# Altium PCB ARM_PCB-2.PcbDoc
Units mil, origin at the board's own origin, x right, y up, seen from the top; angles counter-clockwise.
Board outline 3620.37 x 1730.2 mil, 2 copper layers (Top Layer, Bottom Layer); 67 components, 50 nets, 258 pads, 27 vias.
Unrouted connection lines stored in the file: 2.
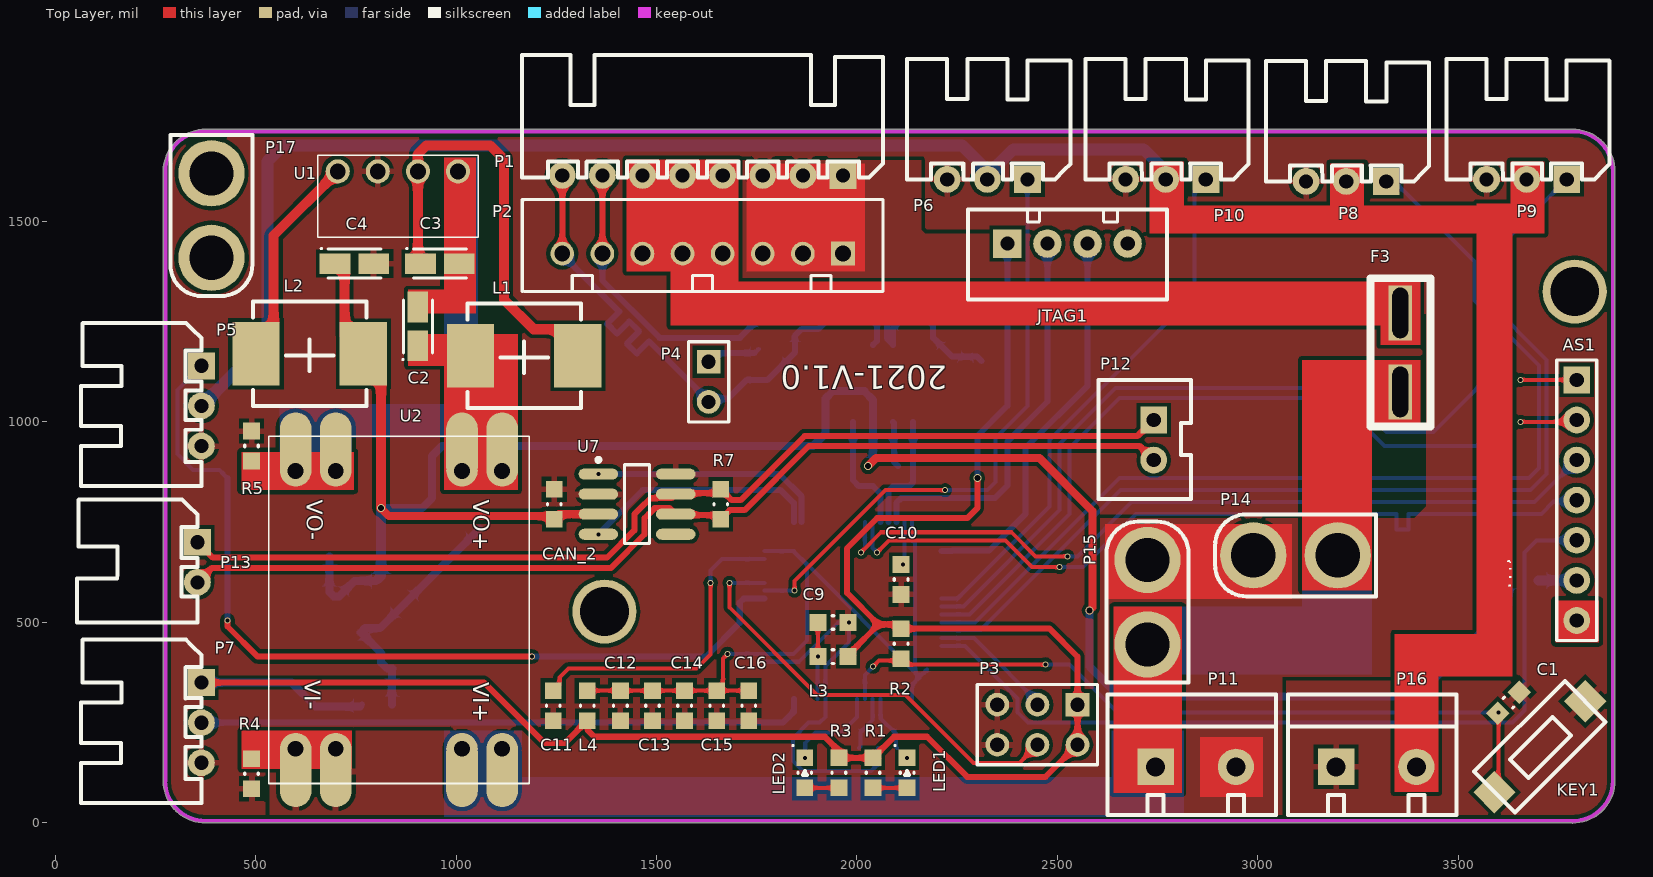
[diagram p0: Top Layer view]
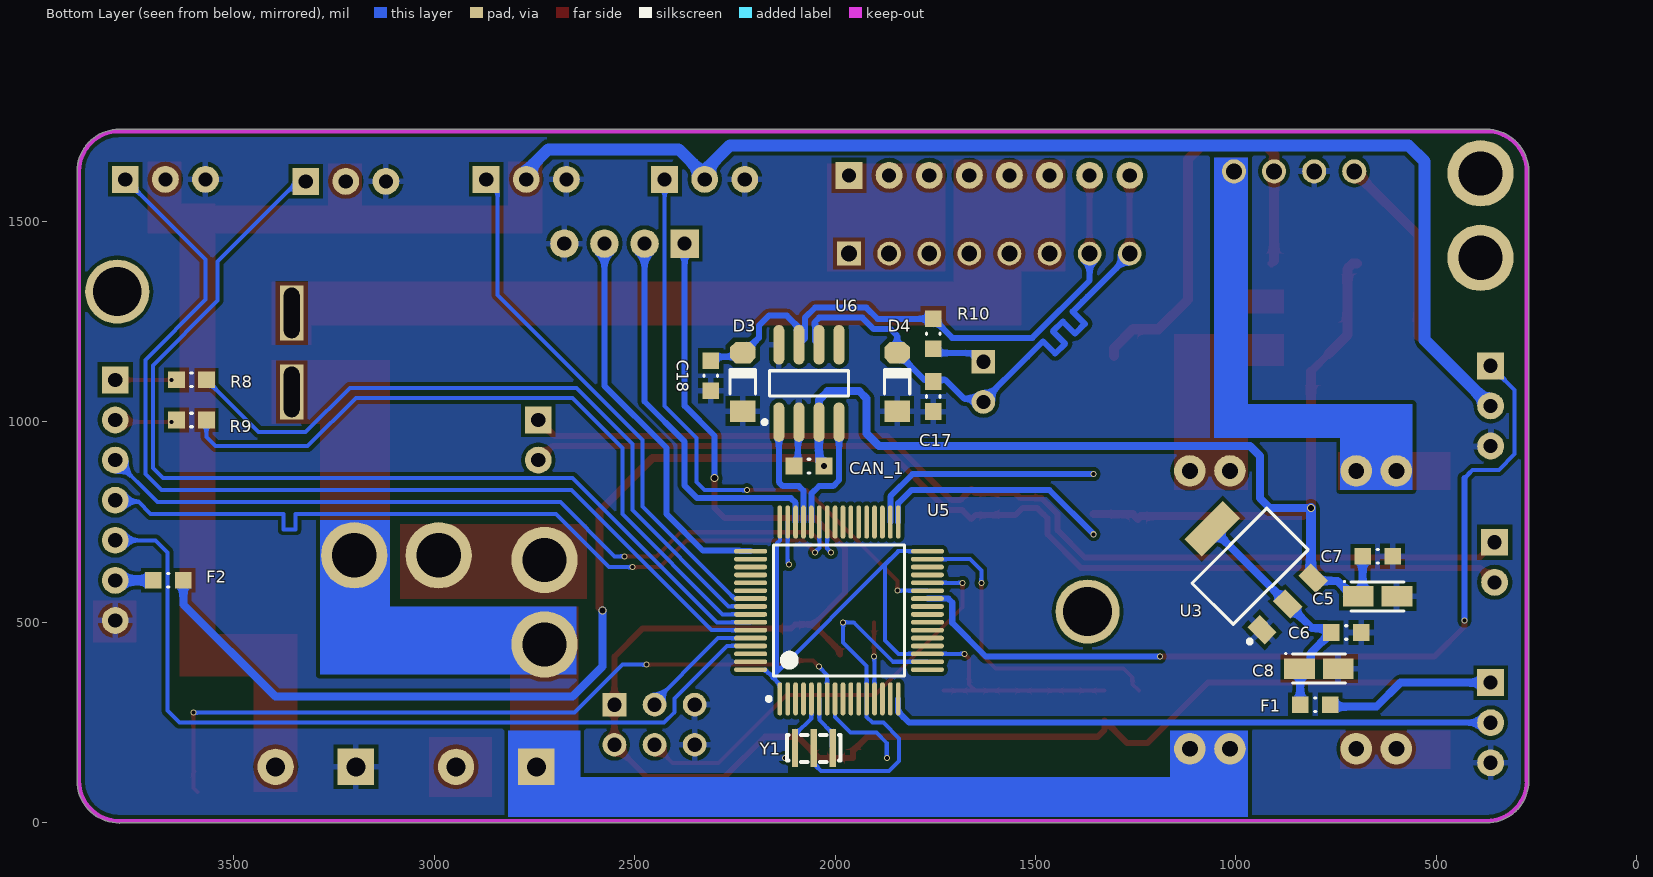
[diagram p1: Bottom Layer view, seen from below]

## Layer stack, top to bottom
Top Solder: solder mask 0.4, Solder Resist, Dk 3.5
Top Layer: signal copper 1.4
Dielectric 1: dielectric 12.6, FR-4, Dk 4.8
Bottom Layer: signal copper 1.4
Bottom Solder: solder mask 0.4, Solder Resist, Dk 3.5

## Board outline
374.96,-0.01 ccw(c375,5) 375,-0.01 3783.71,-0.01 ccw(c3785,4.83) 3785,-0.18 ccw(c3785,104.83) 3890.01,104.83 ccw(c3785,104.83) 3890.01,105.01 ccw(c3885,105) 3889.35,107.5 ccw(c3885,110) 3890.01,110 3890.01,1623.71 ccw(c3885.17,1625) 3890.18,1625 ccw(c3785.17,1625) 3784.99,1730.01 ccw(c3785,1725) 3784.97,1730.01 375,1730.01 375,1730.02 cw(c375,1725) 375.05,1730.01 375,1730.02 ccw(c375,1625) 269.99,1624.87 ccw(c375,1625) 269.99,1624.83 ccw(c375,1625) 269.99,1624.82 269.98,1624.83 269.98,106.29 ccw(c274.83,105) 269.82,105 ccw(c374.83,105)

## Design rules (kind name [scope] priority, off if disabled: settings)
Clearance Clearance_2 [InNamedPolygon('NONET_L01_P-001')] p1: gap=10 ignorepadtopadclearanceinfootprint=FALSE
Clearance Clearance_1 [InNamedPolygon('NONET_L01_P-001')] p2: gap=10 ignorepadtopadclearanceinfootprint=FALSE except(0: Arc-Hole Track-Hole SMDPad-Hole THPad-Hole Via-Hole Fill-Hole Poly-Hole Region-Hole Text-Hole)
Clearance [All] p3: gap=0 ignorepadtopadclearanceinfootprint=FALSE
DiffPairsRouting [All] p1: maxlimit=10 minlimit=10 mostfreqgap=10 toplayer_minwidth=15 toplayer_maxwidth=15 toplayer_prefwidth=15 bottomlayer_minwidth=15 bottomlayer_maxwidth=15 bottomlayer_prefwidth=15 maxuncoupledlength=500
HoleSize [All] p1: absolutevalues=TRUE maxlimit=200 minlimit=1 maxpercent=80.000 minpercent=20.000
MinimumSolderMaskSliver [All] p1: minsoldermaskwidth=0
PolygonConnect [All] p1: connectstyle=Relief reliefconductorwidth=15 reliefentries=4 polygonreliefangle="90 Angle" airgapwidth=10
RoutingVias [All] p1: holewidth=28 width=50 viastyle="Through Hole" minholewidth=28 minwidth=50 maxholewidth=28 maxwidth=50
SilkToSolderMaskClearance [IsPad] p1: minsilkscreentomaskgap=0 clearancetoexposedcopper=TRUE
SolderMaskExpansion [All] p1: expansion=4
Width [All] p1: maxlimit=90 minlimit=10 preferedwidth=10
26 further rules are at their usual default settings.

## Classes and differential pairs
differential pair CAN2: +CAN2_P -CAN2_N
differential pair CAN1: +CAN1_P -CAN1_N

## Components (designator, comment, footprint, x,y, rotation, side; value= is the part's Value field where it differs from the comment)
AS1 "AS69-T20" HDR2.54-M-LI-7P 3795,805 r270 top
C1 "104" C0603 3625,300 r45 top
C2 "4.7uF" A3216 905,1238.23 r90 top
C3 "4.7uF" A3216 960,1395 r0 top
C4 "10uF" A3216 746.77,1395 r0 top
C5 "22uF" A3216 646.77,565 r180 bottom
C6 "104" C0603 725,475 r180 bottom
C7 "104" C0603 646.77,665 r0 bottom
C8 "22uF" A3216 793.23,385 r180 bottom
C9 "104" C0603/1608 1940,500 r0 top
C10 "225" C0603/1608 2110,607.4 r90 top
C11 "225" C0603/1608 1242.4,292.6 r90 top
C12 "104" C0603/1608 1410,292.6 r90 top
C13 "104" C0603/1608 1490,292.6 r90 top
C14 "104" C0603/1608 1570,292.6 r90 top
C15 "104" C0603/1608 1650,292.6 r90 top
C16 "104" C0603/1608 1730,292.6 r90 top
C17 "30pf" C0603 1755,1063.43 r270 bottom
C18 "30pf" C0603 2310,1115 r90 bottom
CAN_1 "104" C0603 2065,890 r180 bottom
CAN_2 "104" C0603 1245,795 r270 top
D3 "1N4148" "MINI_MELF (LL34)" 2230,1100 r90 bottom
D4 "1N4148" "MINI_MELF (LL34)" 1845,1100 r90 bottom
F1 "0.5A" L0603 802.4,295 r180 bottom
F2 "0.5A" L0603 3662.6,605 r0 bottom
F3 "Fuse 1" Fuse 3280.2,988.39 r0 top
JTAG1 "Header 4" Header1*4_XH2.54_zhi 2885,1405 r180 top
KEY1 "KEY2" KEY_RESET 3710,190 r225 top
L1 "6.8uH" L0630 1170,1165 r180 top
L2 "6.8uH" L0630 635,1170 r180 top
L3 "UPZ1608E101" L0603/1608 1940,415 r180 top
L4 "UPZ1608E101" L0603/1608 1327.4,292.6 r90 top
LED1 "LED BLUE" LED0603 2125,125 r90 top
LED2 "LED RED" LED0603 1870,125 r90 top
P1 "Header 8" XH2.54-WI-8P 1615,1615 r180 top
P2 "Header 8" Header1*8_XH2.54_zhi 1835,1310 r270 top
P3 "Header 3X2" BOOT 2655,445 r270 top
P4 "Header 2" TM 1635,1120 r0 top
P5 "Header 3H" XH2.54-WI-3P 365,1040 r270 top
P6 "Header 3H" XH2.54-WI-3P 2325,1605 r180 top
P7 "Header 3H" XH2.54-WI-3P 365,250 r270 top
P8 "Header 3H" XH2.54-WI-3P 3220,1600 r180 top
P9 "Header 3H" XH2.54-WI-3P 3670,1605 r180 top
P10 "Header 3H" XH2.54-WI-3P 2770,1605 r180 top
P11 "Header 2" KF301-5.0-2P 2945,140 r0 top
P12 "CAN-GH1.25-2P" XH2.54-LI-2P 2740,955 r270 top
P13 "CAN-GH1.25-2P" XH2.54-WI-2P 355,650 r270 top
P14 "Header 2" XT30公头（立式） 3094,662.46 r180 top
P15 "Header 2" XT30公头（立式） 2719.48,550.23 r90 top
P16 "Header 2" KF301-5.0-2P 3395,140 r0 top
P17 "Header 2" XT30_ĸ 705,1445 r270 top
R1 "4.7K" R0603 2040,125 r270 top
R2 "10kΩ" R0603 2110,447.2 r90 top
R3 "4K7" R0603 1955,125 r90 top
R4 "0R" R0603 490,122.6 r270 top
R5 "0R" R0603 490,940 r90 top
R7 "R_120" R0603 1660,795 r270 top
R8 "10K" R0603 3605,1105 r180 bottom
R9 "10K" R0603 3605,1005 r180 bottom
R10 "120R" R0603 1755,1220 r90 bottom
U1 "金升阳" 金升阳 855,1625 r180 top
U2 "降压DM02" 降压DM02 772.48,-28.54 r90 top
U3 "1117_WYN" SOT-223 965,640 r135 bottom
U5 "STM32F405RGT6" LQFP64 1990,530 r90 bottom
U6 "TJA1050" SO8_M 2065,1096.14 r90 bottom
U7 "TJA1050" SO8_M 1451.46,795 r0 top
Y1 "Crystal_Cap" XTAL-3213 2052.76,187.4 r180 bottom

## Footprints (in the part's own frame and the unit in brackets; to place one, negate y for a bottom-side part, rotate by r counter-clockwise, add the part's x,y. Pads: shape width x height; smd on the part's side, far side on the other; paste and mask are expansions set on the pad)
A3216 [mm]
  rect 1.95x1.3 smd: 1(-1.225,0) 2(1.225,0)
  silkscreen extent -2.15,-0.91 1.68,1, body extent -1.7,-0.9 1.7,0.9, height 1.8
BOOT [mm]
  rect 1.5x1.5 hole 0.9: 1(3.81,-2.667)
  round 1.5 hole 0.9: 2(6.35,-2.667) 3(3.81,-5.207) 4(6.35,-5.207) 5(3.81,-7.747) 6(6.35,-7.747)
  silkscreen extent 2.54,-9.02 7.62,-1.4, body extent 2.54,-9.02 7.62,-1.4, height 8.38
C0603 [mm]
  rect 1.06x1.06 smd: 1(-0.95,0) 2(0.95,0)
  silkscreen extent -0.05,-0.43 0.05,0.43, body extent -0.85,-0.48 0.85,0.47, height 0.95
C0603/1608 [mm]
  rect 1.06x1.06 smd: 1(-0.95,0) 2(0.95,0)
  silkscreen extent -0.05,-0.43 0.05,0.43, body extent -1.29,-0.48 1.31,0.53, height 0.95
Fuse [mm]
  rect 1.5x3.5 hole 1 slot 3.2 at 90 deg: 1(1.9,7.2) 2(1.9,2.2)
  silkscreen extent 0,0 3.8,9.4
HDR2.54-M-LI-7P [mm] "排母，7脚"
  rect 1.7x1.7 hole 0.9: 1(-7.62,0)
  round 1.7 hole 0.9: 2(-5.08,0) 3(-2.54,0) 4(0,0) 5(2.54,0) 6(5.08,0) 7(7.62,0)
  silkscreen extent -8.89,-1.27 8.89,1.27, body extent -8.89,-1.27 8.89,1.27, height 8.5
Header1*4_XH2.54_zhi [mm]
  rect 1.8x1.8 hole 0.9: 1(12.954,-1.016)
  round 1.8 hole 0.9: 2(10.414,-1.016) 3(7.874,-1.016) 4(5.334,-1.016)
  silkscreen extent 2.84,-3.17 15.44,2.54, body extent 2.97,-3.26 15.37,2.49, height 7
Header1*8_XH2.54_zhi [mm]
  rect 1.5x1.5 hole 1: 1(-2.794,3.302)
  round 1.5 hole 1: 2(-2.794,0.762) 3(-2.794,-1.778) 4(-2.794,-4.318) 5(-2.794,-6.858) 6(-2.794,-9.398) 7(-2.794,-11.938) 8(-2.794,-14.478)
  silkscreen extent -6.22,-17.02 -0.38,5.84, body extent -6.13,-16.79 -0.38,5.61, height 7
KEY_RESET [mil]
  rect 75x75 smd: 1(-155,-5) 2(165,-5)
  silkscreen extent -155,-77 165,67, body extent -175,-75 185,65, height 98
KF301-5.0-2P [mm] "可拼接端子/6A"
  rect 2.3x2.3 hole 1.2: 1(-5.08,0)
  round 2.3 hole 1.2: 2(0,0)
  silkscreen extent -8.13,-3.05 2.54,4.57, body extent -7.95,-3 2.55,4.6, height 10.05
L0603 [mm]
  rect 1.06x1.06 smd: 1(-0.95,0) 2(0.95,0)
  silkscreen extent -0.05,-0.43 0.05,0.43, body extent -0.85,-0.48 0.85,0.48, height 0.95
L0603/1608 [mm]
  rect 1.06x1.06 smd: 1(-0.95,0) 2(0.95,0)
  silkscreen extent -0.05,-0.43 0.05,0.43, body extent -0.9,-0.5 0.9,0.5, height 1
L0630 [mm]
  rect 3x4 smd: 1(-3.4,0) 2(3.4,0)
  silkscreen extent -3.6,-3.3 3.6,3.3, body extent -3.6,-3.3 3.6,3.3, height 3
LED0603 [mm]
  rect 1.06x1.06 smd: 1(-0.95,0) 2(0.95,0)
  silkscreen extent -0.13,-0.43 1.78,0.81, body extent -0.85,-0.48 0.85,0.47, height 0.95
LQFP64 [mm]
  oval 2.1x0.3 smd: 1(-5.6,3.75) 2(-5.6,3.25) 3(-5.6,2.75) 4(-5.6,2.25) 5(-5.6,1.75) 6(-5.6,1.25) 7(-5.6,0.75) 8(-5.6,0.25) 9(-5.6,-0.25) 10(-5.6,-0.75) 11(-5.6,-1.25) 12(-5.6,-1.75) 13(-5.6,-2.25) 14(-5.6,-2.75) 15(-5.6,-3.25) 16(-5.6,-3.75) 33(5.6,-3.75) 34(5.6,-3.25) 35(5.6,-2.75) 36(5.6,-2.25) 37(5.6,-1.75) 38(5.6,-1.25) 39(5.6,-0.75) 40(5.6,-0.25) 41(5.6,0.25) 42(5.6,0.75) 43(5.6,1.25) 44(5.6,1.75) 45(5.6,2.25) 46(5.6,2.75) 47(5.6,3.25) 48(5.6,3.75)
  oval 0.3x2.1 smd: 17(-3.75,-5.6) 18(-3.25,-5.6) 19(-2.75,-5.6) 20(-2.25,-5.6) 21(-1.75,-5.6) 22(-1.25,-5.6) 23(-0.75,-5.6) 24(-0.25,-5.6) 25(0.25,-5.6) 26(0.75,-5.6) 27(1.25,-5.6) 28(1.75,-5.6) 29(2.25,-5.6) 30(2.75,-5.6) 31(3.25,-5.6) 32(3.75,-5.6) 49(3.75,5.6) 50(3.25,5.6) 51(2.75,5.6) 52(2.25,5.6) 53(1.75,5.6) 54(1.25,5.6) 55(0.75,5.6) 56(0.25,5.6) 57(-0.25,5.6) 58(-0.75,5.6) 59(-1.25,5.6) 60(-1.75,5.6) 61(-2.25,5.6) 62(-2.75,5.6) 63(-3.25,5.6) 64(-3.75,5.6)
  silkscreen extent -5.72,-4.15 4.15,4.57, body extent -6,-6 6,6, height 1.6
"MINI_MELF (LL34)" [mm] "1.5*3.4mm(直径，脚距）"
  rect 1.37x1.62 smd: 1(-1.855,0)
  oct 1.37x1.62 smd: 2(1.855,0)
  silkscreen extent -0.76,-0.8 0.78,0.8, body extent -1.7,-0.75 1.7,0.75, height 1.5
R0603 [mm]
  rect 1.06x1.06 smd: 1(-0.95,0) 2(0.95,0)
  silkscreen extent -0.05,-0.43 0.05,0.43, body extent -0.85,-0.48 0.85,0.47, height 0.95
SO8_M [mm]
  oval 2.5x0.7 smd: 1(-2.45,1.905) 2(-2.45,0.635) 3(-2.45,-0.635) 4(-2.45,-1.905) 5(2.45,-1.905) 6(2.45,-0.635) 7(2.45,0.635) 8(2.45,1.905)
  silkscreen extent -2.57,-2.5 0.8,2.93, body extent -2,-2.5 2,2.5, height 1.75
SOT-223 [mm]
  rect 1.1x1.55 smd: 1(-2.3,-3.375) 2(0,-3.375) 3(2.3,-3.375)
  rect 3.45x1.55 smd: 4(0,3.375)
  silkscreen extent -3.5,-3.48 3.35,1.85, body extent -3.3,-3.94 3.3,3.43, height 0.8
TM [mm]
  rect 1.5x1.5 hole 0.9: 1(-0.127,0.762)
  round 1.5 hole 0.9: 2(-0.127,-1.778)
  silkscreen extent -1.4,-3.05 1.14,2.03, body extent -1.4,-3.05 1.14,2.03, height 9.5
XH2.54-LI-2P [mm] "接插件，2P"
  rect 1.7x1.7 hole 0.9: 1(-1.27,0)
  round 1.7 hole 0.9: 2(1.27,0)
  silkscreen extent -3.81,-3.51 3.74,2.37, body extent -3.77,-3.3 3.77,2.4, height 7.05
XH2.54-WI-2P [mm] "接插件，2P"
  rect 1.7x1.7 hole 0.9: 1(-1.27,0)
  round 1.7 hole 0.9: 2(1.27,0)
  silkscreen extent -3.99,-7.62 3.81,0, body extent -3.77,-7.35 3.77,0.35, height 5.73
XH2.54-WI-3P [mm] "接插件，3P"
  rect 1.7x1.7 hole 0.9: 1(-2.54,0)
  round 1.7 hole 0.9: 2(0,0) 3(2.54,0)
  silkscreen extent -5.26,-7.62 5.08,0, body extent -5.04,-7.35 5.04,0.35, height 5.73
XH2.54-WI-8P [mm] "接插件，8P"
  rect 1.7x1.7 hole 0.9: 1(-8.89,0)
  round 1.7 hole 0.9: 2(-6.35,0) 3(-3.81,0) 4(-1.27,0) 5(1.27,0) 6(3.81,0) 7(6.35,0) 8(8.89,0)
  silkscreen extent -11.43,-7.62 11.43,0.13, body extent -11.39,-7.35 11.39,0.35, height 5.75
XT30_ĸ [mm]
  round 4.2 hole 2.8: 1(-4.445,-8.001) 2(0.905,-8.001)
  silkscreen extent -6.87,-10.6 3.33,-5.4, body extent -6.96,-10.63 3.44,-5.33, height 12.6
XT30公头（立式） [mm] "做线用XT30公头座子"
  round 4.2 hole 2.8: 1(-2.667,-0.127) 2(2.683,-0.127)
  silkscreen extent -5.09,-2.73 5.11,2.47, body extent -5.18,-2.76 5.22,2.54, height 12.6
XTAL-3213 [mm]
  rect 0.4x2.4 smd: 1(-1.2,0) 2(0,0) 3(1.2,0)
  silkscreen extent -1.7,-0.9 1.7,0.8, body extent -1.63,-0.76 1.57,0.74, height 0.8
金升阳 [mil]
  round 60 hole 39.37: 1(-150,0) 2(-50,0) 3(50,0) 4(150,0)
  silkscreen extent -200,-40 200,165
降压DM02 [mm]
  oval 4.5x2 smd: 1(3.974,-8.699) 1(3.974,-6.159) 2(3.974,1.841) 2(3.974,4.381) 3(24.474,-8.699) 3(24.474,-6.159) 4(24.474,1.841) 4(24.474,4.381)
  round 2 hole 1: 1(5.424,-8.699) 1(5.424,-6.159) 2(5.424,1.841) 2(5.424,4.381) 3(23.024,-8.699) 3(23.024,-6.159) 4(23.024,1.841) 4(23.024,4.381)
  silkscreen extent 3.22,-10.41 25.22,6.09, body extent 3.3,-10.29 25.15,6.1, height 4.5

## Part data
C1 C6 C17 C18 CAN_1 CAN_2: library part CAP_WYN
C2 C3 C4 C5 C8: library part CAP_POL_WYN
C7: library part Cap
C9 C10 C11 C12 C13 C14 C15 C16: library part 陶瓷电容, "陶瓷电容"
D3 D4: library part Diode, "Default Diode", Code_JEDEC=DO-214-AB, LatestRevisionDate=17-Jul-2002, LatestRevisionNote="Re-released for DXP Platform.", PackageDescription="DO-214-AB/SMC; 2 C-Bend Leads; Body 7.9 x 5.9 mm, inc. leads (LxW)", PackageReference=SMC, PackageVersion=Sep-1996, Published=8-Jun-2000, Publisher="Altium Limited"
F1 F2: library part FUSE
F3: "Fuse", LatestRevisionDate=17-Jul-2002, LatestRevisionNote="Re-released for DXP Platform.", PackageDescription="Thru-Hole; 2 Leads", PackageReference=PIN-W2/E2.8, Published=8-Jun-2000, Publisher="Altium Limited"
JTAG1: "Header, 4-Pin", LatestRevisionDate=17-Jul-2002, LatestRevisionNote="Re-released for DXP Platform.", Publisher="Altium Limited"
KEY1: library part KEY
L1 L2 L3 L4: library part 磁珠, "贴片磁珠"
LED1: library part LED, Color=BLUE
LED2: library part LED, Color=RED
P1 P2: "Header, 8-Pin", LatestRevisionDate=17-Jul-2002, LatestRevisionNote="Re-released for DXP Platform.", Publisher="Altium Limited"
P3: "Header, 3-Pin, Dual row", LatestRevisionDate=17-Jul-2002, LatestRevisionNote="Re-released for DXP Platform.", Publisher="Altium Limited"
P12 P13: "CAN-GH1.25-2P端子座"
R1 R7: library part R
R2: library part RES_WYN
R3 R4 R5 R8 R9 R10: library part Resistor
U5: "微控制器STM32F405RGT6"
Y1: LatestRevisionDate=17-Jul-2002, LatestRevisionNote="Re-released for DXP Platform.", Published=8-Jun-2000, Publisher="Altium Limited"

## Free pads (board coordinates)
  round 160 hole 122.05: 1(3790,1325) 4(1370,527.13)

## Via types
v1: diameter 15, hole 10, Top Layer to Bottom Layer, 23 vias
v2: diameter 20, hole 15, Top Layer to Bottom Layer, 4 vias

## Nets (pads, with @x,y where several pads share a name; then routed paths per layer and width w, separated by ;. In a path a pad name is that pad's centre, name@x,y a point inside that pad or via, vN(x,y) a via of type N, cw(c..) or ccw(c..) an arc to the next point about the centre after c; other vN are vias at no path point)
ADC_CH2: P7.2 U5.16 | length 1520.9
  Bottom Layer w15: P7.2 1815.08,250 1842.36,277.28 U5.16
AUX: AS1.5 U5.61 | length 2133.8
  Bottom Layer w10: U5.61 2269.06,441.42 2400,310.47 2400,276.1 2426.1,250 3635,250 3665,280 3665,675 3695,705 AS1.5@3780,705 ; AS1.5@3780,695 AS1.5@3780,705 ; AS1.5@3780,715 AS1.5@3780,705 ; AS1.5@3805,705 AS1.5 AS1.5@3780,705
BOOT0: P3.3 U5.60 | length 332.3
  Bottom Layer w10: U5.60 2291.26,461.1 P3.3@2469.11,283.25
BOOT1: P3.4 U5.28 | length 1095.7
  Top Layer w10: v1(1682.05,598.9) 1682.05,537.95 1900.87,319.13 2120.87,319.13 2290,150 2405,150 P3.4
  Bottom Layer w10: v1(1682.05,598.9) U5.28
CAN1_N: C17.1 D4.2 P1.8 P2.8 P4.2 U6.6 | length 1485.4
  Top Layer w15: P2.8 P1.8
  Bottom Layer w15: P2.8 1265,1417.5 1370,1312.5 1382.37,1300.13 1407.12,1275.38 1376.68,1244.94 1401.43,1220.19 1431.87,1250.63 1456.62,1225.88 1426.18,1195.44 1450.93,1170.69 1481.37,1201.13 1519.95,1162.55 1630,1052.5 P4.2 1638.43,1058.43 1678.15,1058.43 1724.72,1105 1776.97,1105 D4.2 1845,1215 1862.4,1232.4 1904.37,1232.4 1931.97,1260 2039.64,1260 2050,1249.64 2050,1202.6 U6.6
CAN1_P: C18.2 D3.2 P1.7 P2.7 R10.2 U6.7 | length 1485.4
  Top Layer w15: P2.7 P1.7
  Bottom Layer w15: P2.7 1365,1352.86 1507.86,1210 1707.6,1210 R10.2 1894.01,1257.4 1921.61,1285 2050,1285 2075,1260 2075,1207.6 U6.7 2090,1235 2120,1265 2165,1265 2189.85,1240.15 2189.85,1210.08 2237.21,1162.72 2299.68,1162.72 C18.2
CAN1_RX: U5.44 U6.4 | length 298.3
  Bottom Layer w15: U6.4 1990,854.84 2004.84,840 2040,840 2058.9,821.1 U5.44
CAN1_TX: U5.45 U6.1 | length 298.1
  Bottom Layer w15: U5.45 2078.58,828.58 2090,840 2130,840 2140,850 U6.1
CAN2_N: P12.2 P13.2 R7.2 U7.6 | length 2586.7
  Top Layer w15: P13.2 391.45,636.45 1386.8,636.45 1470,719.64 1470,760 1480,770 1480.36,770 1495.36,785 1532.91,785 U7.6 1550.32,767.6 1650,767.6 R7.2 1682.4,780 1720,780 1880,940 2705,940 P12.2
CAN2_P: P12.1 P13.1 R7.1 U7.7 | length 2589.6
  Top Layer w15: P13.1 393.55,661.45 1376.45,661.45 1445,730 1445,770.36 1469.64,795 1470,795 1485,810 1537.91,810 U7.7 1550.32,822.4 1650,822.4 R7.1 1687.4,805 1709.64,805 1869.64,965 2700,965 P12.1
CAN2_RX: U5.33 U7.4 | length 593.3
  Bottom Layer w15: v1(1355,720) 1465,830 1809.68,830 1842.36,797.32 U5.33
CAN2_TX: U5.34 U7.1 | length 594.2
  Bottom Layer w15: v1(1355,870) 1806.73,870 1862.05,814.68 U5.34
CGND: C2.2 C3.2 R5.1 U1.1 U2.4
GND: AS1.7 C1.2 C4.2 C5.2 C6.2 C7.1 C8.2 C9.2 C10.1 C11.1 C12.1 C13.1 C14.1 C15.1 C16.1 C17.2 C18.1 CAN_1.1 CAN_2.1 D3.1 D4.1 JTAG1.4 KEY1.1 LED1.2 P3.5 P3.6 P5.3 P6.3 P7.3 P8.3 P9.3 P10.3 P16.1 R4.2 R5.2 U1.3 U3.1 U5.12 U5.18 U5.63 U6.2 U6.8 U7.2 U7.8 Y1.2 | length 1054.7
  Bottom Layer w10: U5.18 1855.32,402.05 1953.27,500 v1(1980,500) 1980,450 1921.1,391.1 U5.12 1921.1,264.34 1906.76,250 1879.21,250 1840.32,211.1 1840.32,154.68 1865,130 2034.72,130 2052.76,148.03 Y1.2
  Bottom Layer w15: U6.2 2092.4,997.28 2092.4,900 CAN_1.1
  other v1: 2125,162.4
JTCK: JTAG1.3 U5.49 | length 987
  Bottom Layer w15: U5.49 2236.81,677.64 2238.41,679.23 2329.23,679.23 2420,770 2420,935 2575,1090 JTAG1.3
JTMS: JTAG1.2 U5.46 | length 987.6
  Bottom Layer w15: U5.46 2098.27,798.27 2110,810 2343.9,810 2375,841.1 2375,951.08 2475,1051.08 JTAG1.2
MD0: R8.2 U5.56 | length 1779
  Bottom Layer w10: U5.56 2210.82,540.19 2265.19,540.19 2505,780 2505,945 2645,1085 3210,1085 3320,975 3437.6,975 R8.2
MD1: R9.2 U5.57 | length 1778.9
  Bottom Layer w10: U5.57 2280.16,520.16 2530,770 2530,935 2655,1060 3195,1060 3315,940 3545,940 3567.6,962.6 R9.2
NetAS1_1: AS1.1 R8.1 | length 140
  Top Layer w10: v1(3655,1105) AS1.1
NetAS1_2: AS1.2 R9.1 | length 140
  Top Layer w10: v1(3655,1000) AS1.2@3795,1000
NetAS1_6: AS1.6 F2.2 | length 95
  Bottom Layer w25: F2.2 AS1.6
NetC3_1: C3.1 L1.1 U1.2 | length 1118.2
  Top Layer w20: C3.1@905,1401.77 C3.1
  Top Layer w25: C3.1@905,1401.77 U1.2 905,1668.66 926.34,1690 1085,1690 1120,1655 1120,1304.96 1193.72,1231.24 1257.3,1231.24 1303.86,1184.68 L1.1
NetC6_1: C6.1 C8.1 F1.1 U3.2 U3.4 | length 624.7
  Bottom Layer w20: F1.1 839.8,383.35 C8.1 828.66,385 813.07,400.59 813.07,424.33 C6.1 773.27,485.87 810.87,485.87 U3.2 U3.4
NetC9_1: C9.1 L3.2 U5.13 | length 191
  Top Layer w10: v1(1902.6,415) C9.1
  Bottom Layer w10: U5.13 1901.76,309.87 1901.76,414.17 v1(1902.6,415)
NetC10_2: C10.2 U5.47 | length 106.7
  Bottom Layer w10: v1(2115,645) 2117.95,647.95 U5.47
NetC11_2: C11.2 U5.31 | length 796.2
  Top Layer w10: C11.2 1258.27,345.87 1258.27,363.27 1280,385 1600,385 1635,420 v1(1635,598.9)
  Bottom Layer w10: v1(1635,598.9) 1635,630 1662.95,657.95 U5.31
NetC12_2: C12.2 C13.2 C14.2 C15.2 C16.2 L4.2 U5.1 U5.19 U5.32 U5.48 U5.64 | length 1937.9
  Top Layer w10: L4.2 C12.2 C13.2 C14.2 C15.2 ; v1(1676.57,421.73) 1676.57,420.38 1665.87,409.67 1665.87,345.87 C15.2 ; C16.2 C15.2
  Bottom Layer w10: v1(1676.57,421.73) U5.19 1841.73,421.73 1875,455 1875,642.95 1840.32,677.64 U5.32 ; 1840.63,677.64 1842.36,677.64 1876.02,643.98 2145,375 ; U5.1 2137.64,344.96 2156.34,363.66 ; U5.48 2137.64,705 2145,697.64 2145,375 ; U5.64@2175.04,382.36 2156.34,363.66 ; 2145,375 2156.34,363.66
NetL2_2: L2.2 U1.4 | length 539.4
  Top Layer w20: L2.2 L2.2@545,1213.86
  Top Layer w25: L2.2@545,1213.86 545,1465 U1.4
NetLED1_1: LED1.1 R1.2 | length 85
  Top Layer w10: R1.2 LED1.1
NetLED2_1: LED2.1 R3.1 | length 85
  Top Layer w10: LED2.1 R3.1
NetP4_1: P4.1 R10.1 | length 138.5
  Bottom Layer w10: R10.1@1744.43,1172.03 R10.1
  Bottom Layer w15: P4.1 1652.03,1172.03 1684.63,1172.03 R10.1@1744.43,1172.03
OSC_IN: U5.5 Y1.1 | length 139.2
  Bottom Layer w10: U5.5 2058.9,261.1 2097.13,222.87 2097.13,190.28 Y1.1
OSC_OUT: U5.6 Y1.3 | length 136.1
  Bottom Layer w10: Y1.3 2008.39,190.28 2008.39,225.79 2039.21,256.61 U5.6
PB0: P5.1 U5.26 | length 2225.3
  Top Layer w15: v1(430,505) 430,490 505.1,414.9 505.19,415 v1(1190,415)
  Bottom Layer w10: P5.1 305,1080 305,919.61 344.61,880 410,880 430,860
  Bottom Layer w15: v1(430,505) 430,860 ; v1(1190,415) 1623.27,415 1623.37,414.9 1707.6,499.14 1707.6,549.91 1717.22,559.53 U5.26
PB1: P6.1 U5.27 | length 1489.9
  Top Layer w10: v1(1844.21,579.21) 1844.21,603.35 2070.86,830 v1(2220,830)
  Bottom Layer w10: U5.27 v1(1844.21,579.21) ; v1(2220,830) 2325,830 2345,850 2345,960 2425,1040 P6.1
PB3: P10.1 U5.55 | length 1342.2
  Bottom Layer w10: U5.55 2250.63,559.53 2480,788.9 2480,955 2841.54,1316.54 2841.54,1576.54 P10.1
PB6: P8.1 U5.58 | length 2534.4
  Bottom Layer w10: U5.58 2294.69,500.47 2654.21,860 3675.67,860 3701.33,885.67 3701.33,1141.26 3540,1302.6 3540,1400 3340,1600 P8.1
PB7: P9.1 U5.59 | length 2550.5
  Bottom Layer w10: U5.59 2308.15,480.79 2657.36,830 3679.56,830 3720,870.44 3720,1155 3570,1305 3570,1405 P9.1
PB9: U5.62
PC0: LED2.2 U5.8 | length 238.3
  Bottom Layer w10: v1(1870,162.4) 1870.96,163.36 1870.96,199.78 1896.97,225.79 1960.79,225.79 1999.84,264.84 U5.8
PGND: P1.1 P1.2 P1.3 P2.1 P2.2 P2.3 P11.2 P14.2 P15.2 P17.2 R4.1 U2.2
RESET: C1.1 KEY1.2 R2.1 U5.7 | length 1912.3
  Top Layer w10: v1(2040,390) 2055,405 2114.8,405 2125.87,393.94 2126.93,395 v1(2470,395) ; KEY1.2 3600,87.07 v1(3600,275)
  Bottom Layer w10: U5.7 2019.53,369.53 v1(2040,390) ; v1(2470,395) 2530,395 2650,275 v1(3600,275)
U1_RX: AS1.4 U5.43 | length 2020.7
  Top Layer w10: v1(2050,675) 2080,705 2370,705 2436.73,638.27 v1(2505,638.27)
  Bottom Layer w10: U5.43 2039.21,685.79 v1(2050,675) ; v1(2505,638.27) 2563.27,638.27 2695.77,770.77 3300,770.77 3315,770.77 3345,770.77 3345,732.45 3375,732.45 3375,770.77 3510,770.77 3706.72,770.77 3737.49,801.54 3791.54,801.54 AS1.4 AS1.4@3805,805
U1_TX: AS1.3 U5.42 | length 2009.4
  Top Layer w10: v1(2010,675) 2060,725 2385,725 2445,665 v1(2525,665)
  Bottom Layer w10: v1(2010,675) 2019.53,684.53 U5.42 ; v1(2525,665) 2550,665 2685,800 3690,800 AS1.3
VCC_3.3: F1.2 JTAG1.1 L3.1 L4.1 P3.1 P3.2 P7.1 R1.1 R2.2 R3.2 | length 4987.2
  Top Layer w15: P7.1 1070.2,350 1220.2,200 1272.2,200 L4.1 1327.4,232.6 1345,215 1920,215 1955,180 R3.2 R1.1 2092.6,215 2174.57,215 2274.57,115 2470,115 P3.2 P3.1 2550,415 2480.39,484.61 R2.2 2099.61,495 2053.7,495 ; L3.1@1987.4,420 1987.4,428.7 2053.7,495 ; v2(2300,860) 2300,785 2275,760 2050,760 1975,685 1975,573.7 2053.7,495
  Bottom Layer w15: F1.2@760,290 F1.2 ; v2(2300,860) 2300,965 2375,1040 JTAG1.1
  Bottom Layer w20: P7.1 590,350 650,290 F1.2@760,290
VCC_5: C4.1 C5.1 C7.2 CAN_1.2 CAN_2.2 F2.1 L2.1 U3.3 U6.3 U7.3 | length 5518.7
  Top Layer w20: L2.1 L2.1@813.07,1125.79 ; v2(813.07,785) 833.07,765 1237.6,765 CAN_2.2 1257.4,770 U7.3 ; v2(2027.6,890) 2047.6,910 2455,910 2586.86,778.14 2586.86,536.86 v2(2580,530)
  Top Layer w25: C4.1 709.21,1395 722.3,1381.91 722.3,1216.56 L2.1 ; v2(813.07,785) L2.1@813.07,1125.79
  Bottom Layer w15: v2(2027.6,890) CAN_1.2@2040,902.4
  Bottom Layer w20: C7.2 684.17,575.83 C5.1 707.8,565 746.6,603.81 800.75,603.81 U3.3 ; v2(813.07,785) 915,785 940,810 940,915 965,940 1890.03,940 1921.1,971.08 1921.1,1058.27 1939.55,1076.72 2018.28,1076.72 2040,1055 U6.3 CAN_1.2@2040,902.4 ; v2(2580,530) 2580,390 2655,315 3395,315 3625.2,545.2 F2.1
  Bottom Layer w25: U3.3 813.07,616.13 v2(813.07,785)
VCC_5O: C2.1 L1.2 U2.3
VCC_7.4: P5.2 P6.2 P8.2 P9.2 P10.2 P16.2 | length 3062.7
  Bottom Layer w30: P5.2 530,1205 530,1650 570,1690 2262.03,1690 2320.65,1631.38 2320.65,1609.35 P6.2 2325,1614.99 2390.01,1680 2715,1680 2770,1625 P10.2
VCC_24: F3.1 P1.4 P1.5 P1.6 P2.4 P2.5 P2.6
VCC_24O: F3.2 P11.1 P14.1 P15.1 P17.1 U2.1 | length 0.4
  Top Layer w90: P11.1@2744.72,139.72 P11.1
pads on no net: U5.2 U5.3 U5.4 U5.9 U5.10 U5.11 U5.14 U5.15 U5.17 U5.20 U5.21 U5.22 U5.23 U5.24 U5.25 U5.29 U5.30 U5.35 U5.36 U5.37 U5.38 U5.39 U5.40 U5.41 U5.50 U5.51 U5.52 U5.53 U5.54 U6.5 U7.5

## Polygon pours and split planes (outlines as drawn)
GND on Top Layer "NONET_L01_P-001" (solid, remove dead copper, pour order 4): 185,0 90,95 90,2230 4035,2230 4190,2075 4190,0
PGND on Top Layer "NONET_L01_P-001" (solid, remove dead copper, pour order 2): 535,230 535,5 3060,5 3060,365 3635,365 3635,1470 2170,1470 2160,1480 2160,1652.69 1705,1652.69 1705,1290 1725,1270 3420,1270 3420,790 3390,760 2600,760 2600,230
GND on Bottom Layer "NONET_L01_P-001" (solid, remove dead copper, pour order 6): 100,0 35,65 35,2175 4170,2175 4185,2160 4130,2105 4130,0

## Keep-outs
Keep-Out Layer:
  lines w10: 274.83,105 ccw(c374.83,105) 375,5 3790,5 ; 275,105 275,1624.83 cw(c375,1625) 375,1725 3785.17,1725 ; 3785,4.83 ccw(c3785,104.83) 3885,105 ; 3785,1725 cw(c3785.17,1625) 3885.17,1625 ; 3885,110 3885,1625.17

## Other copper
Top Layer:
  rectangle net VCC_24O: 2640,75 2810,540
  rectangle net PGND: 2619.13,558.9 3085,745
  rectangle net VCC_24O: 3110,995 3405,1155
  rectangle net VCC_24O: 3110,580 3285,1150
  rectangle net PGND: 2855,64.8 3012.58,214.93
  rectangle net PGND: 1725,1375 2020,1645
  rectangle net GND: 3741.71,450 3850,555
  rectangle net VCC_24: 1425,1375 1705,1655
  rectangle net VCC_24: 1535,1240 3405,1350
  rectangle net VCC_24: 3305,1192.6 3405,1350
  rectangle net VCC_24: 1535,1240.15 1705,1455
  rectangle net VCC_7.4: 2730,1470 3715,1540
  rectangle net VCC_7.4: 2730,1470 2815,1650
  rectangle net VCC_7.4: 3180,1470 3265,1645
  rectangle net VCC_7.4: 3630,1470 3715,1650
  rectangle net VCC_7.4: 3545,440 3635,1545
  rectangle net VCC_7.4: 3340,365 3635,471.86
  rectangle net VCC_7.4: 3340,76.86 3450,470
  rectangle net PGND: 465,135 740,230
  rectangle net CGND: 465,830 745,925
  rectangle net CGND: 970,1315 1050,1660
  rectangle net CGND: 880,1270 1050,1330
  rectangle net VCC_5O: 880,1140 1100,1220
  rectangle net VCC_5O: 970,830 1155,1220
Bottom Layer:
  rectangle net VCC_24O: 2645,370 3285,540
  rectangle net VCC_24O: 3110,415 3285,755
  rectangle net CGND: 560,960 1055,1045
  rectangle net CGND: 970,965 1055,1660
  rectangle net CGND: 560,830 740,1026.03
  rectangle net VCC_24O: 970,15 2815,115
  rectangle net VCC_24O: 2635,35 2815,230
  rectangle net VCC_24O: 970,45 1165,230

## Silkscreen, mask and mechanical layers (free items; w line width, h text height)
Top Overlay:
  lines w1: 3622,653 3623,653 ; 3623,654 3628,654 ; 3623,655 3628,655 ; 3624,592 3630,592 ; 3624,653 3629,653 ; 3625,593 3630,593 ; 3625,594 3631,594 ; 3627,613 3632,613 ; 3627,614 3632,614 ; 3627,615 3632,615 ; 3627,634 3632,634 ; 3627,635 3632,635 ; 3628,650 3630,650
  text "2021-V1.0" at 2225,1160 h100 r180
Mechanical 1:
  lines w10: 274.83,105 ccw(c374.83,105) 375,5 3790,5 ; 275,105 275,1624.83 cw(c375,1625) 375,1725 3785.17,1725 ; 3785,4.83 ccw(c3785,104.83) 3885,105 ; 3785,1725 cw(c3785.17,1625) 3885.17,1625 ; 3885,110 3885,1625.17

## Text inside footprints (layer, text, board x,y; h text height)
U2: Top Overlay "VO-" at 627.48,806.46 h40 r270; Top Overlay "VI-" at 622.48,356.46 h40 r270; Top Overlay "VI+" at 1042.48,351.46 h40 r270; Top Overlay "VO+" at 1042.48,806.46 h40 r270